# Altium PCB host_board.PcbDoc (part 8 of 8) (continued)
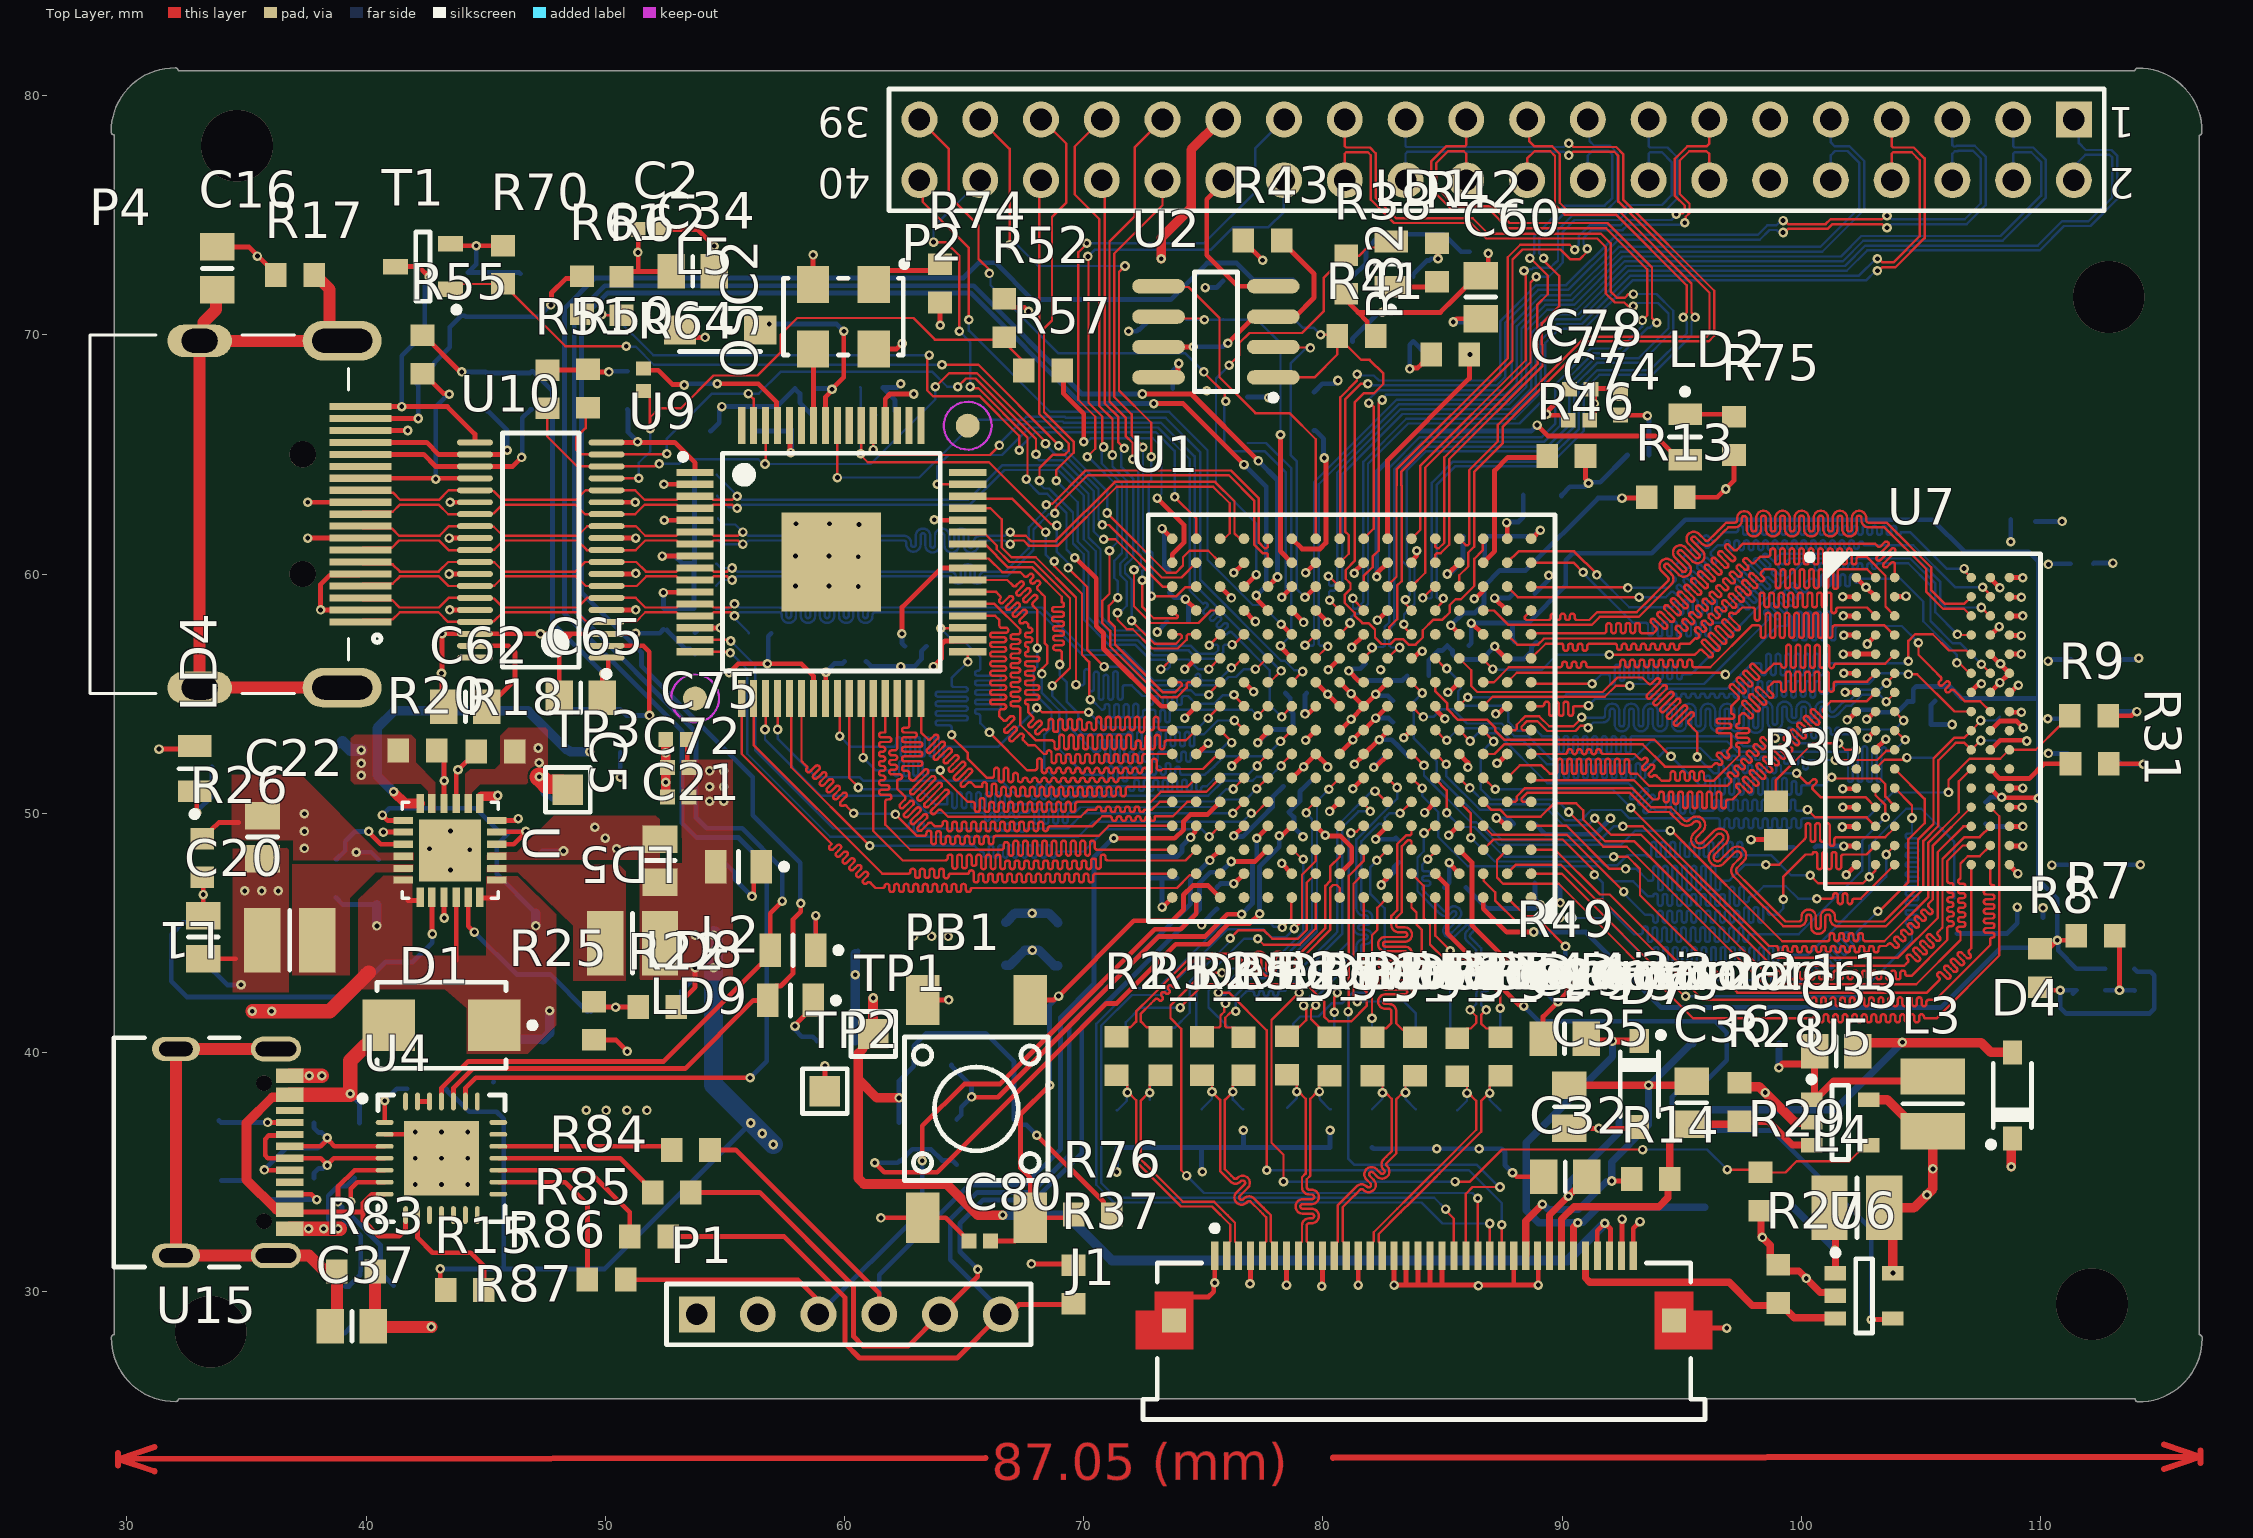
[diagram p0: Top Layer view]
## Nets (pads, with @x,y where several pads share a name; then routed paths per layer and width w, separated by ;. In a path a pad name is that pad's centre, name@x,y a point inside that pad or via, vN(x,y) a via of type N, cw(c..) or ccw(c..) an arc to the next point about the centre after c; other vN are vias at no path point) (continued)
NetC61_2: C61.2 L5.1 U9.57 | length 8.1
  Top Layer w0.2: U9.57@59.2,66.2 59.2,67.396 59.475,67.671 v1(59.475,67.725) 59.968,68.218 59.968,70.143 v1(59.975,70.15)
  Bottom Layer w0.2: v1(56.85,70.45) 59.675,70.45 v1(59.975,70.15) ; C61.2@58.825,67.75 v1@59.45,67.75
NetC62_2: C62.2 U10.37 | length 4.9
  Top Layer w0.2: U10.37@44.55,57 45.95,57 46.225,56.725 46.225,55.57 44.955,54.3 C62.2@44.955,54.15
NetC64_2: C64.2 R58.1 U10.2 | length 7.9
  Top Layer w0.2: U10.2@50.05,57 51.59,57 51.84,56.75 v1@51.84,54.09
  Bottom Layer w0.2: R58.1@48.6,54.35 C64.2@50.625,54.35 50.885,54.09 v1(51.847,54.09)
NetC80_1: C80.1 PB1.1 PB1.2 R76.1 U1.A14 | length 24.7
  Top Layer w0.2: C80.1@66.1,32.12 67.138,32.12 67.76,32.742 PB1.1@67.76,33.092 ; PB1.2@67.76,42.192 68.74,42.192 68.902,42.353 v4(68.95,42.353) 72.097,45.5 73.7,45.5 74.17,45.97 74.17,46.591 74.554,46.976 75.199,46.976 U1.A14@75.7,46.475 ; v4(68.57,38.625) 67.35,37.405 67.35,35.17 67.76,34.76 PB1.1@67.76,33.092 ; R76.1@69.575,33.23 69.437,33.092 PB1.1@67.76,33.092
  Bottom Layer w0.2: v4(68.57,38.625) 68.57,41.973 v4(68.95,42.353)
NetD1_2: D1.2 D2.4 U4.7 U4.8 U15.A4/B9 U15.B4/A9 | length 22.5
  Top Layer w0.2: U15.A4/B9@36.755,38.175 U15.A4/B9@36.805,38.225 ; U15.B4/A9@36.805,33.425 36.905,33.325 39.8,33.325 39.875,33.4 ; U4.7@40.775,34.075 40.245,34.075 39.875,33.705 39.875,33.4 ; U4.8@41.65,33.2 41.65,32.6 41.375,32.325 40.525,32.325 39.875,32.975 39.875,33.325 39.875,33.4
  Top Layer w0.4: U15.A4/B9@36.755,38.175 36.705,38.125 36.075,38.125 35,37.05 35,34.675 36.25,33.425 U15.B4/A9@36.805,33.425 ; v1@39.34,38.225 v1(39.34,38.27)
  Top Layer w0.6: U15.A4/B9@36.805,38.225 v1@39.34,38.225 ; v1(39.34,38.27) 39.34,39.649 40.681,40.99 D1.2@41.33,40.99
  Bottom Layer w0.2: v1@39.34,38.26 39.72,37.88 D2.4@39.72,37.05
NetD6_2: D6.2 L4.2 U6.1 | length 5.5
  Top Layer w0.3: L4.2@101.176,33.5 101.425,33.251 U6.1@101.425,30.775
  Bottom Layer w0.3: D6.2@99.558,33.525 99.658,33.525 101.431,31.752 101.431,31.743 v1@101.413,31.725
  other v1: 101.4,31.725
NetL1_1: L1.1 U.5
NetL2_1: L2.1 U.14
NetLD1_1: LD1.1 R42.2 | length 2
  Top Layer w0.2: LD1.1@82.85,72 84.534,72 R42.2@84.759,72.225
NetLD2_1: LD2.1 R75.2 | length 2.1
  Top Layer w0.2: LD2.1@95.136,66.675 97.081,66.675 R75.2@97.181,66.575 R75.2@97.206,66.6
NetLD4_1: LD4.1 R77.2 | length 3.1
  Top Layer w0.2: LD4.1@32.83,50.91 32.92,50.82 v1(32.92,50.025)
  Bottom Layer w0.2: v1(32.92,50.025) 32.92,50.079 33.56,50.719 R77.2@33.56,51.94
NetLD5_1: LD5.1 R78.2 | length 3.3
  Top Layer w0.2: v1(56.13,46.52) 56.13,46.574 56.2,46.644 56.2,47.443 LD5.1@56.52,47.763
  Bottom Layer w0.2: R78.2@54.97,47.93 54.99,47.93 55.39,47.53 55.39,47.26 v1(56.13,46.52)
NetLD8_1: LD8.1 R81.2 | length 3
  Top Layer w0.2: LD8.1@58.79,44.273 58.8,44.283 v1(58.8,45.72)
  Bottom Layer w0.2: v1@58.79,45.727 58.79,44.405 R81.2@58.96,44.235
NetLD9_1: LD9.1 R82.2 | length 2.7
  Top Layer w0.2: v1(57.93,41.1) 57.93,41.163 58.69,41.923 LD9.1@58.69,42.173
  Bottom Layer w0.2: v1(57.93,41.1) 57.93,40.944 58.217,40.657 58.673,40.657 R82.2@58.85,40.48
NetOSC1_1: OSC1.1 R35.1 | length 6.3
  Bottom Layer w0.2: OSC1.1@81.23,72.425 81.805,73 81.805,73.58 82.425,74.2 85.05,74.2 85.775,73.475 R35.1@86.125,73.475
NetOSC2_1: OSC2.1 R74.1 | length 3.1
  Top Layer w0.2: OSC2.1@61.22,72.11 61.795,72.685 63.725,72.685 R74.1@63.99,72.95
NetR13_1: R13.1 U1.M4 | length 11.3
  Top Layer w0.2: v1(85.35,57.85) 85.7,57.5 U1.M4@85.7,57.475 ; v1(92.5,63.175) 93.497,63.175 R13.1@93.53,63.209
  Bottom Layer w0.2: v1(85.35,57.85) 85.875,58.375 86.35,58.375 86.737,58.762 86.737,59.487 87.4,60.15 88.475,60.15 91.5,63.175 v1(92.5,63.175)
NetR15_2: R15.2 U4.9 | length 5.2
  Top Layer w0.2: U4.9@42.15,33.2 42.15,32.25 42.775,31.625 44.375,31.625 44.925,31.075 R15.2@44.925,30.075
NetR16_1: R16.1 U4.1 | length 2.1
  Top Layer w0.2: U4.1@40.775,37.075 v1@40.775,37.978
  Bottom Layer w0.2: v1(40.777,37.978) 41.279,38.48 R16.1@41.72,38.48
NetR24_1: R24.1 U.3 | length 3.7
  Top Layer w0.2: v1@40.11,49.227 40.11,49.21 40.616,48.704 U.3@41.554,48.704
  Bottom Layer w0.2: R24.1@38.73,48.09 38.78,48.09 39.13,48.44 39.13,48.82 39.547,49.237 v1(40.11,49.237)
NetR31_2: R31.2 U7.L8 | length 3.8
  Top Layer w0.2: U7.L8@107.9,51.85 108.3,51.45 109.525,51.45 110.143,52.068 R31.2@111.25,52.068
NetR32_1: R32.1 R33.2 U1.T7 | length 9.3
  Top Layer w0.2: U1.T7@82.7,61.475 82.7,64.75 86.125,68.175 R32.1@86.125,69.175
  Bottom Layer w0.2: R33.2@86.3,69.05 R33.2@86.4,69.15
  other v1: 86.144,69.175
NetR34_2: R34.2 U1.T2 | length 2.4
  Top Layer w0.2: U1.T2@87.7,61.475 v3@87.7,62.15
  Bottom Layer w0.2: v3(87.675,62.15) 87.7,62.175 88.175,62.175 88.375,62.375 R34.2@88.375,63.25 R34.2@88.375,63.3
NetR36_2: R36.2 U1.L11 | length 10.6
  Top Layer w0.2: v1@78.225,56.975 78.225,56.95 U1.L11@78.7,56.475
  Bottom Layer w0.1: R36.2@76.85,65.475 77.625,65.475 78.675,64.425 78.675,57.45 v1(78.225,57)
NetR43_1: R43.1 U2.3 U2.7 | length 10.4
  Top Layer w0.2: U2.7@73.125,69.49 v1@74.665,69.49 ; v1@76,69.635 77.125,70.76 U2.3@77.925,70.76 78.835,70.76 79.625,71.55 79.625,72.55 78.275,73.9 R43.1@78.275,73.95
  Bottom Layer w0.2: v1(74.575,69.5) 75.821,69.5 75.971,69.65 v1(76.025,69.65)
NetR45_1: R45.1 U1.T11 | length 6.7
  Top Layer w0.2: U1.T11@78.7,61.475 79.125,61.05 79.876,61.05 80.125,61.299 v1@80.125,64.917
  Bottom Layer w0.2: R45.1@79.625,66 79.675,66 80.025,65.65 80.025,64.875 v1(80.05,64.85)
NetR46_1: R46.1 U1.R3 | length 6.6
  Top Layer w0.2: U1.R3@86.7,60.475 87.175,60.95 87.175,64.325 87.725,64.875 R46.1@89.525,64.875
NetR49_1: R49.1 U1.C4 | length 6.6
  Top Layer w0.2: U1.C4@85.7,48.475 86.225,47.95 86.225,45.324 87.877,43.672 88.205,43.672 88.555,43.322 R49.1@88.555,43.272
NetR57_1: R57.1 U1.R16 | length 12.4
  Top Layer w0.2: R57.1@69.45,68.5 69.15,68.2 69.15,67.55 70,66.7 v1(70,65.525) ; v1@73.1,63.15 74.19,62.06 74.19,61.31 73.7,60.82 U1.R16@73.7,60.475
  Bottom Layer w0.1: v1@70.07,65.503 70.128,65.503 70.3,65.675 72.885,65.675 73.25,65.31 73.25,63.354 v1(73.071,63.175)
NetR64_1: R64.1 U9.61 | length 7.2
  Top Layer w0.2: R64.1@51.6,68.595 51.68,68.515 52.21,68.515 52.8,67.925 53.275,67.925 v1(53.3,67.9) ; v1(54.675,67.95) 56.4,67.95 57.15,67.2 57.15,66.25 U9.61@57.2,66.2
  Bottom Layer w0.2: v1(53.3,67.9) 53.35,67.95 v1(54.675,67.95)
NetR65_1: R65.1 U15.A5 | length 3
  Top Layer w0.2: v1(35.88,37.075) U15.A5@36.805,37.075
  Bottom Layer w0.2: R65.1@33.85,37.15 33.925,37.075 v1(35.88,37.075)
NetR66_1: R66.1 U1.B3 | length 6.1
  Top Layer w0.1: U1.B3@86.7,47.475 86.723,47.452 86.723,47.167 87.196,46.694 87.196,46.354 88.129,45.421 89.152,45.421 v1(90.14,44.433)
  Bottom Layer w0.2: v1@90.13,44.427 90.13,44.294 90.133,44.291 R66.1@90.133,43.349
NetR84_1: R84.1 U4.19 | length 7.3
  Top Layer w0.2: U4.19@45.55,36.075 52.625,36.075 R84.1@52.775,35.925
NetR85_1: R85.1 U4.18 | length 7.1
  Top Layer w0.2: U4.18@45.55,35.575 50.625,35.575 51.975,34.225 R85.1@51.975,34.15
NetR86_1: R86.1 U4.17 | length 7.2
  Top Layer w0.2: U4.17@45.55,35.075 49.275,35.075 51.025,33.325 R86.1@51.025,32.3
NetR87_1: R87.1 U4.16 | length 7.2
  Top Layer w0.2: U4.16@45.55,34.575 48.325,34.575 49.25,33.65 R87.1@49.25,30.5
NetR90_1: R90.1 U15.B5 | length 5.5
  Top Layer w0.2: U15.B5@36.805,34.075 37.715,34.075 v1(37.94,33.85)
  Bottom Layer w0.2: R90.1@33.95,34.65 35.03,34.65 35.83,33.85 v1(37.94,33.85)
NetU1_B5: U1.B5 U6.4 | length 36.1
  Top Layer w0.2: U1.B5@84.7,47.475 85.2,46.975 85.2,44.99 88.213,41.977 88.352,41.977 v1(88.39,41.938) ; v1(102.92,28.83) 103.78,28.83 U6.4@103.825,28.875
  Bottom Layer w0.2: v1(88.39,41.938) 89.028,41.3 96.4,41.3 96.884,40.816 96.884,39.67 95.904,38.69 95.141,38.69 94.592,38.141 94.592,37.156 95.008,36.74 98.78,36.74 102.92,32.6 v1(102.92,28.83)
NetU4_26: U4.26 U4.27 | length 0.5
  Top Layer w0.2: U4.27@42.15,37.95 U4.26@42.65,37.95
RST_CPU: R39.2 U4.23 | length 82.4
  Top Layer w0.2: U4.23@44.15,37.95 44.15,38.508 44.582,38.94 v1(56.05,38.94)
  Bottom Layer w0.2: v1(56.05,38.94) 56.75,39.64 56.75,47.801 55.567,48.984 53.816,48.984 53.21,49.59 53.21,53.427 48.297,58.339 48.297,71.115 49.556,72.374 64.97,72.374 65.605,73.01 66.32,73.01 67.856,71.474 73.631,71.474 75.156,72.999 76.397,72.999 77.109,72.287 78.737,72.287 R39.2@78.75,72.3
SYS_CLK: OSC1.3 R32.2 | length 3.2
  Top Layer w0.2: v1(83.625,68.575) 83.663,68.613 83.963,68.613 84.125,68.775 84.175,68.775 84.525,69.125 R32.2@84.525,69.175
  Bottom Layer w0.2: v1(83.625,68.575) 83.625,69.58 OSC1.3@83.77,69.725 OSC1.3@84.345,69.15
TCK: P1.6 R37.1 R86.2 U1.C14 | length 47.4
  Top Layer w0.2: R86.2@52.625,32.3 57.475,32.3 60.025,29.75 60.025,27.825 60.625,27.225 64.705,27.225 P1.6@66.53,29.05 66.883,29.05 67.293,29.46 69.535,29.46 R37.1@69.575,29.5 ; v1(75.275,48.025) 75.275,48.05 U1.C14@75.7,48.475
  Bottom Layer w0.2: P1.6@66.53,29.05 66.53,29.22 64.42,31.33 64.42,33.02 65.55,34.15 67.85,34.15 69.39,35.69 69.39,41.14 74.466,46.216 74.466,47.216 v1(75.275,48.025)
TDI: P1.5 R85.2 U1.C12 | length 42.7
  Top Layer w0.2: R85.2@53.575,34.15 56.45,34.15 60.375,30.225 60.375,28.125 60.775,27.725 62.665,27.725 P1.5@63.99,29.05 65.573,30.632 v1(65.573,30.93) ; v1(76.165,47.98) 77.155,47.98 77.65,48.475 U1.C12@77.7,48.475
  Bottom Layer w0.2: v1(65.573,30.93) 64.827,31.676 64.827,32.853 65.807,33.833 67.957,33.833 69.912,35.788 69.912,41.042 74.837,45.967 74.837,47.082 75.286,47.531 75.716,47.531 v1(76.165,47.98)
TDO: P1.4 R84.2 U1.E14 | length 41.1
  Top Layer w0.2: R84.2@54.375,35.925 55.45,35.925 61.45,29.925 P1.4@61.45,29.05 ; v1(71.25,48.95) 73.808,48.95 74.175,49.317 74.175,49.658 74.467,49.95 75.175,49.95 U1.E14@75.7,50.475
  Bottom Layer w0.2: P1.4@61.45,29.05 61.45,30.71 63.19,32.45 65.19,34.45 67.52,34.45 69.03,35.96 69.03,41.47 70.425,42.865 70.425,48.155 71.22,48.95 v1(71.25,48.95)
TMDS0_N: P4.9 R69.1 U1.T13 U9.6 U10.12 U10.27 | length 46.7
  Top Layer w0.1: P4.9@39.76,62 39.86,61.9 41.08,61.9 41.38,61.6 43.07,61.6 43.47,62 U10.27@44.55,62 44.576,61.974 45.338,61.974 45.712,61.6 48.847,61.6 49.242,61.995 50.045,61.995 U10.12@50.05,62 51.27,62 51.67,61.6 ; 51.671,61.601 52.513,61.601 ; 52.513,61.6 52.975,61.6 53.125,61.75 U9.6@53.75,61.75 54.375,61.75 54.525,61.6 54.758,61.6 55.541,61.6 55.691,61.75 v1(55.75,61.75) ; v1(66.925,61.751) 66.95,61.751 67.1,61.601 67.574,61.601 67.8,61.375 68.825,61.375 71.3,63.85 75.491,63.85 76.3,63.041 76.3,61.7 76.525,61.475 U1.T13@76.7,61.475 U1.T13@76.675,61.5
  Bottom Layer w0.1: R69.1@54.71,62.33 54.71,62.31 54.95,62.07 55.43,62.07 v1(55.75,61.75) 55.831,61.75 55.981,61.6 56.18,61.6 56.3,61.6 62.05,61.6 62.48,61.6 cw(c62.48,61.3) 62.78,61.3 62.78,61.233 ccw(c62.88,61.233) 62.98,61.233 62.98,61.6 cw(c63.28,61.6) 63.58,61.6 63.58,61.2 ccw(c63.68,61.2) 63.78,61.2 63.78,61.6 cw(c64.08,61.6) 64.38,61.6 64.38,61.2 ccw(c64.48,61.2) 64.58,61.2 64.58,61.6 cw(c64.88,61.6) 65.18,61.6 65.18,61.2 ccw(c65.28,61.2) 65.38,61.2 65.38,61.3 cw(c65.68,61.3) 65.68,61.6 65.83,61.6 66.23,61.6 66.34,61.6 66.699,61.6 66.825,61.726 66.9,61.726 v1(66.925,61.751)
TMDS0_P: P4.7 R71.1 U1.T14 U9.7 U10.10 U10.29 | length 46.2
  Top Layer w0.1: P4.7@39.76,61 39.86,61.1 41.08,61.1 41.38,61.4 43.05,61.4 43.45,61 U10.29@44.55,61 44.562,61.012 45.352,61.012 45.739,61.4 48.827,61.4 49.227,61 U10.10@50.05,61 51.27,61 51.67,61.4 51.753,61.4 ; 51.754,61.401 52.378,61.401 ; 52.379,61.4 52.975,61.4 53.125,61.25 U9.7@53.75,61.25 54.375,61.25 54.525,61.4 54.675,61.4 55.541,61.4 55.691,61.25 v1(55.75,61.25) ; v1(66.925,61.251) 66.95,61.251 67.1,61.401 67.491,61.401 67.717,61.175 68.908,61.175 71.383,63.65 75.408,63.65 76.1,62.958 76.1,61.702 75.873,61.475 U1.T14@75.7,61.475 U1.T14@75.68,61.495
  Bottom Layer w0.1: R71.1@54.7,61.4 R71.1@54.7,61.42 54.87,61.25 v1(55.75,61.25) 55.831,61.25 55.981,61.4 56.22,61.4 56.44,61.4 61.01,61.4 62.05,61.4 62.48,61.4 cw(c62.48,61.3) 62.58,61.3 62.58,61.233 ccw(c62.88,61.233) 63.18,61.233 63.18,61.6 cw(c63.28,61.6) 63.38,61.6 63.38,61.2 ccw(c63.68,61.2) 63.98,61.2 63.98,61.6 cw(c64.08,61.6) 64.18,61.6 64.18,61.2 ccw(c64.48,61.2) 64.78,61.2 64.78,61.6 cw(c64.88,61.6) 64.98,61.6 64.98,61.2 ccw(c65.28,61.2) 65.58,61.2 65.58,61.3 cw(c65.68,61.3) 65.68,61.4 65.83,61.4 66.34,61.4 66.695,61.4 66.844,61.251 v1(66.925,61.251)
TMDS1_N: P4.6 R67.1 U1.T12 U9.9 U10.9 U10.30 | length 46.2
  Top Layer w0.1: P4.6@39.76,60.5 39.86,60.4 41.109,60.4 41.409,60.1 43.03,60.1 43.43,60.5 U10.30@44.55,60.5 44.557,60.493 45.357,60.493 45.75,60.1 48.75,60.1 49.15,60.5 U10.9@50.05,60.5 51.295,60.5 51.695,60.1 52.975,60.1 53.125,60.25 U9.9@53.75,60.25 54.375,60.25 54.525,60.1 55.091,60.1 55.241,60.25 v1(55.3,60.25) ; v1(68.434,62.896) 68.475,62.937 68.687,62.937 70.075,64.325 76.15,64.325 77.323,63.152 77.323,61.31 77.559,61.075 77.641,61.075 77.7,61.134 U1.T12@77.7,61.475
  Bottom Layer w0.1: R67.1@54.644,60.432 54.826,60.25 v1(55.3,60.25) 55.359,60.25 55.509,60.1 64.443,60.1 cw(c64.443,59.893) 64.65,59.893 ccw(c64.75,59.893) 64.85,59.893 64.85,60.107 cw(c65.15,60.107) 65.45,60.107 65.45,59.893 ccw(c65.55,59.893) 65.65,59.893 cw(c65.857,59.893) 65.857,60.1 66.717,60.1 67.7,61.083 67.7,61.95 68.392,62.642 68.392,62.854 v1(68.434,62.896)
TMDS1_P: P4.4 R68.1 U1.R12 U9.10 U10.7 U10.32 | length 46.2
  Top Layer w0.1: P4.4@39.76,59.5 39.86,59.6 41.11,59.6 41.41,59.9 42.555,59.9 43.041,59.9 43.441,59.5 U10.32@44.55,59.5 44.557,59.507 45.357,59.507 45.75,59.9 48.779,59.9 49.179,59.5 U10.7@50.05,59.5 51.31,59.5 51.71,59.9 52.975,59.9 53.125,59.75 U9.10@53.75,59.75 54.375,59.75 54.525,59.9 55.091,59.9 55.241,59.75 v1(55.3,59.75) ; v1(68.787,62.542) 68.829,62.584 68.829,62.796 70.158,64.125 76.067,64.125 77.123,63.069 77.123,62.38 77.123,61.99 77.123,61.227 77.476,60.875 77.641,60.875 77.7,60.816 U1.R12@77.7,60.475
  Bottom Layer w0.1: R68.1@54.63,59.5 54.63,59.51 54.87,59.75 v1(55.3,59.75) 55.359,59.75 55.509,59.9 64.443,59.9 ; 64.45,59.893 ccw(c64.75,59.893) 65.05,59.893 65.05,60.107 cw(c65.15,60.107) 65.25,60.107 65.25,59.893 ccw(c65.55,59.893) 65.85,59.893 ; 65.857,59.9 66.8,59.9 67.9,61 67.9,61.867 68.534,62.501 68.746,62.501 v1(68.787,62.542)
TMDS2_N: P4.3 R73.2 U1.L13 U9.12 U10.6 U10.33 | length 46
  Top Layer w0.1: P4.3@39.76,59 39.86,58.9 41.1,58.9 41.4,58.6 43.042,58.6 43.442,59 U10.33@44.55,59 44.573,58.977 45.341,58.977 45.718,58.6 48.838,58.6 49.237,58.999 U10.6@50.049,58.999 ; U10.6@50.05,59 51.27,59 51.67,58.6 52.975,58.6 53.125,58.75 U9.12@53.75,58.75 54.375,58.75 54.525,58.6 55.25,58.6 v1(55.4,58.75) ; v1(76.175,56.075) 76.238,56.075 76.637,56.475 U1.L13@76.7,56.475
  Bottom Layer w0.1: R73.2@54.64,58.553 55.122,58.553 55.319,58.75 v1(55.4,58.75) 55.459,58.75 55.609,58.6 56.72,58.6 57.27,58.6 cw(c57.27,58.3) 57.57,58.3 57.57,58.255 ccw(c57.67,58.255) 57.77,58.255 57.77,58.593 cw(c58.07,58.593) 58.37,58.593 58.37,58.255 ccw(c58.47,58.255) 58.57,58.255 58.57,58.593 cw(c58.87,58.593) 59.17,58.593 59.17,58.255 ccw(c59.27,58.255) 59.37,58.255 59.37,58.593 cw(c59.67,58.593) 59.97,58.593 59.97,58.255 ccw(c60.07,58.255) 60.17,58.255 60.17,58.593 cw(c60.47,58.593) 60.77,58.593 60.77,58.255 ccw(c60.87,58.255) 60.97,58.255 60.97,58.3 cw(c61.27,58.3) 61.27,58.6 61.713,58.6 68.25,58.6 70.037,56.813 71.657,56.813 72.92,55.55 74.526,55.55 74.576,55.55 ccw(c74.576,55.65) 74.676,55.65 74.676,55.725 cw(c74.776,55.725) 74.876,55.725 74.876,55.65 ccw(c74.976,55.65) 74.976,55.55 75.143,55.55 75.625,55.55 76.15,56.075 v1(76.175,56.075)
TMDS2_P: P4.1 R72.2 U1.L12 U9.13 U10.4 U10.35 | length 46.6
  Top Layer w0.1: P4.1@39.76,58 39.86,58.1 41.109,58.1 41.409,58.4 43.025,58.4 43.425,58 U10.35@44.55,58 44.579,58.029 45.344,58.029 45.715,58.4 48.822,58.4 49.222,58 U10.4@50.05,58 51.27,58 51.67,58.4 51.753,58.4 52.975,58.4 53.125,58.25 U9.13@53.75,58.25 54.375,58.25 54.525,58.4 55.25,58.4 ; v1(77.175,56.025) 77.213,56.025 77.662,56.475 U1.L12@77.7,56.475
  Bottom Layer w0.1: R72.2@56,57.525 56,57.545 55.457,58.088 55.457,58.193 v1(55.4,58.25) 55.459,58.25 55.609,58.4 56.72,58.4 57.27,58.4 cw(c57.27,58.3) 57.37,58.3 57.37,58.255 ccw(c57.67,58.255) 57.97,58.255 57.97,58.593 cw(c58.07,58.593) 58.17,58.593 58.17,58.255 ccw(c58.47,58.255) 58.77,58.255 58.77,58.593 cw(c58.87,58.593) 58.97,58.593 58.97,58.255 ccw(c59.27,58.255) 59.57,58.255 59.57,58.593 cw(c59.67,58.593) 59.77,58.593 59.77,58.255 ccw(c60.07,58.255) 60.37,58.255 60.37,58.593 cw(c60.47,58.593) 60.57,58.593 60.57,58.255 ccw(c60.87,58.255) 61.17,58.255 61.17,58.3 cw(c61.27,58.3) 61.27,58.4 61.713,58.4 68.167,58.4 69.955,56.613 71.574,56.613 72.837,55.35 75.708,55.35 76.054,55.696 76.371,55.696 76.7,56.025 v1(77.175,56.025)
TMDS_CLK_N: P4.12 R89.2 U1.M14 U9.3 U10.15 U10.24 | length 46
  Top Layer w0.1: P4.12@39.76,63.5 39.856,63.404 41.126,63.404 41.43,63.1 43.05,63.1 43.45,63.5 U10.24@44.55,63.5 44.579,63.471 45.327,63.471 45.698,63.1 48.775,63.1 49.175,63.5 U10.15@50.05,63.5 51.245,63.5 51.645,63.1 51.822,63.1 52.975,63.1 53.125,63.25 54.375,63.25 54.525,63.1 55.3,63.1 55.45,63.25 v1(55.509,63.25) ; v1(75.25,57.025) U1.M14@75.7,57.475
  Bottom Layer w0.1: R89.2@54.66,64.16 54.66,64.14 55.509,63.291 v1(55.509,63.25) 55.567,63.25 55.717,63.1 55.95,63.1 56.34,63.1 62.675,63.1 63.133,63.1 65.158,63.1 66.608,64.55 69.008,64.55 70.2,63.358 70.2,61.533 70.7,61.033 70.7,58.249 71.311,57.637 72.47,57.637 73.097,57.01 73.656,57.01 73.657,57.009 74.466,57.009 74.816,56.659 75.471,56.659 75.625,56.813 75.625,56.837 75.625,56.979 75.566,57.037 75.262,57.037 v1(75.25,57.025)
TMDS_CLK_P: P4.10 R88.2 U1.M13 U9.4 U10.13 U10.26 | length 46.2
  Top Layer w0.1: P4.10@39.76,62.5 39.86,62.6 41.112,62.6 41.412,62.9 43.03,62.9 43.43,62.5 U10.26@44.55,62.5 44.579,62.529 45.327,62.529 45.698,62.9 48.75,62.9 49.15,62.5 U10.13@50.05,62.5 51.245,62.5 51.645,62.9 51.905,62.9 52.975,62.9 53.125,62.75 54.375,62.75 54.525,62.9 55.3,62.9 55.45,62.75 v1(55.509,62.75) ; v1(76.2,57.05) 76.275,57.05 U1.M13@76.7,57.475
  Bottom Layer w0.1: R88.2@54.68,63.27 54.68,63.25 54.92,63.01 54.94,63.01 55.159,62.791 55.467,62.791 v1(55.509,62.75) 55.567,62.75 55.717,62.9 62.675,62.9 63.133,62.9 65.241,62.9 66.691,64.35 68.925,64.35 70,63.275 70,61.45 70.5,60.95 70.5,58.166 71.228,57.437 72.338,57.437 72.965,56.81 73.573,56.81 73.574,56.809 74.384,56.809 74.733,56.459 75.554,56.459 75.825,56.73 75.825,56.813 75.825,56.979 75.884,57.037 76.187,57.037 v1(76.2,57.05)
TMS: P1.3 R87.2 U1.A15 | length 34.5
  Top Layer w0.2: R87.2@50.85,30.5 58.05,30.5 58.91,29.64 P1.3@58.91,29.05 ; v1(63.25,35.47) 63.25,36.925 65,38.675 66.498,38.675 68.53,40.707 72.973,45.15 74.05,45.15 74.7,45.8 U1.A15@74.7,46.475
  Bottom Layer w0.2: P1.3@58.91,29.05 63.25,33.39 v1(63.25,35.47)
UART_RX: LD9.2 U1.N12 U4.24 | length 85.9
  Top Layer w0.2: U4.24@43.65,37.95 43.65,38.508 44.467,39.325 53.335,39.325 56.183,42.173 LD9.2@56.79,42.173 56.79,42.423 57.14,42.773 57.323,42.773 57.85,43.3 57.85,45.56 58.168,45.878 v1(58.168,46.23) ; v1(72.925,67.125) 74.15,67.125 v1(76.7,64.575) ; 77.275,58.9 U1.N12@77.7,58.475
  Bottom Layer w0.2: v1@58.15,46.21 58.15,47.93 56.16,49.92 56.16,51.512 51.51,56.162 51.51,56.724 49,59.234 49,70.64 50.108,71.748 65.278,71.748 69.901,67.125 v1(72.925,67.125) ; v1@76.705,64.575 77.625,63.655 77.625,59.512 v1(77.213,59.1)
UART_TX: LD8.2 U1.P12 U4.25 | length 85.9
  Top Layer w0.2: U4.25@43.15,37.95 43.15,38.508 44.267,39.625 52.438,39.625 56.486,43.673 56.54,43.673 56.89,44.023 LD8.2@56.89,44.273 56.89,45.815 v1(57.4,46.325) ; v1(72.454,67.525) 74.504,67.525 v1(77.3,64.729) ; U1.P12@77.7,59.475 v1(78.1,59.875)
  Bottom Layer w0.2: v1(57.4,46.325) 57.4,47.686 55.716,49.37 54.24,49.37 53.79,49.82 53.79,53.385 48.7,58.475 48.7,70.764 49.984,72.048 65.402,72.048 69.925,67.525 v1(72.454,67.525) ; v1(77.3,64.729) 78.1,63.929 v1(78.1,59.875)
USB_N: D2.2 U4.4 U15.A7 U15.B7 | length 8
  Top Layer w0.2: U15.B7@36.805,36.575 36.76,36.53 35.93,36.53 35.78,36.38 35.78,35.692 35.897,35.575 38.1,35.575 38.312,35.363 38.312,35.298 38.335,35.275 v1@38.35,35.275 ; v1(38.375,35.275) v1@38.35,35.275 ; U4.4@40.775,35.575 38.65,35.575 v1@38.35,35.275
  Bottom Layer w0.2: D2.2@37.82,34.75 37.82,34.95 38.02,35.15 38.196,35.15 38.321,35.275 v1(38.375,35.275)
USB_P: D2.3 U4.3 U15.A6 U15.B6 | length 9.2
  Top Layer w0.2: v1@35.93,35.075 U15.B6@36.805,35.075 ; U15.A6@36.805,36.075 38.095,36.075 38.337,36.317 38.337,36.392 v1(38.375,36.43) ; v1@38.47,36.282 38.677,36.075 U4.3@40.5,36.075 ; U4.3@40.5,36.075 U4.3@40.775,36.075
  Bottom Layer w0.2: v1(35.75,35.09) 36.65,35.99 37.98,35.99 38.375,36.385 v1(38.375,36.43) 38.365,36.43 38.145,36.65 38.02,36.65 37.82,36.85 D2.3@37.82,37.05
USER_LED: LD2.2 U1.R7 | length 19.5
  Top Layer w0.2: v1(82.252,59.888) 82.252,60.027 U1.R7@82.7,60.475 ; v1(88.95,66.225) 89.4,65.775 93.886,65.775 94.886,64.775 LD2.2@95.136,64.775 LD2.2@95.161,64.75
  Bottom Layer w0.2: v1(82.252,59.888) 82.252,64.281 83.946,65.975 88.7,65.975 v1(88.95,66.225)
pads on no net: P4. P4.14 U1.A4 U1.A12 U1.A13 U1.B12 U1.B14 U1.C13 U1.D9 U1.E11 U1.F10 U1.M5 U1.M12 U1.N4 U4.10 U4.11 U4.12 U4.13 U4.14 U4.15 U4.20 U4.21 U4.22 U4.28 U7.J1 U7.J9 U7.L1 U7.L9 U7.M7 U8.5 U9.48 U9.49 U9.50 U9.51 U9.55 U9.59 U9.64 U9.FTG1 U9.FTG2 U10.38 U15. U15.A8 U15.B8
copper on no net: | length 80
  Top Layer w0.254: 29.632,23.251 29.632,22.743 ; 31.156,23.507 29.632,22.997 ; 31.157,22.491 29.632,22.997 ; 65.895,23.039 29.632,22.997 ; 80.419,23.056 116.682,23.097 ; 115.158,23.603 116.682,23.097 ; 115.159,22.587 116.682,23.097 ; 116.682,23.351 116.682,22.843
  other v5: 33.5,28.325 112.15,29.475 112.85,71.575 34.6,77.9

## Polygon pours and split planes (outlines as drawn)
3V3 on Power "3V3_L03_P010" (solid, pour order 10): 55.14,27.4 55.14,37.575 58.86,37.575 63.95,37.575 109.85,37.575 111.191,36.234 111.191,33.283 105.308,27.4
1V8 on Power "1V8_L03_P008" (solid, pour order 8): 86.021,47.647 84.25,49.418 84.25,49.491 79.363,49.491 77.662,47.79 75.173,47.79 71.383,44 60.883,44 60.883,40.925 82.742,40.925 85.917,44.1
3V3 on Power "3V3_L03_P011" (solid, pour order 11): 50.666,65.333 50.666,69.148 52.796,71.279 52.846,71.229 58.466,71.229 61.712,67.982 63.128,67.982 63.466,67.842 63.466,65.128 63.007,64.669 63.007,62.78 63.291,62.496 63.348,55.479 55.765,55.435 55.765,56.587 53.668,56.587 53.668,59.694 51.631,59.694 51.631,53.226 49.067,53.241 49.046,51.599 53.182,50.326 61.949,50.326 65.507,54.104 70.482,54.104 70.635,53.95 79.125,53.95 79.708,54.533 79.708,55.231 80.95,56.473 81.352,56.473 82.061,56.184 82.474,55.979 83.42,55.479 83.42,51.57 81.883,51.57 81.17,51.57 80.696,52.044 67.866,52.044 62.399,47.38 62.399,44.448 68.083,44.448 71.139,44.448 75.211,48.52 78.036,48.52 79.39,49.874 84.34,49.874 84.482,50.093 84.482,50.326 84.482,56.812 85.592,57.922 85.592,61.646 87.499,63.554 87.549,63.504 93.566,63.504 93.566,72.179 92.391,73.354 85.048,73.354 84.148,74.254 47.111,74.254 47.111,65.333
1V5 on Power "1V5_L03_P007" (solid, pour order 7): 115.45,42.175 115.45,61.65 114.02,63.08 87.498,63.08 86.825,62.407 85.917,61.5 85.917,57.817 84.525,56.425 84.625,56.325 84.625,50.025 86.186,48.464 86.186,43.911 82.825,40.55 57.58,40.55 57.58,38.03 112.33,38.03 114.725,40.425
1V8 on Power "1V8_L03_P009" (solid, pour order 9): 41.25,54.471 43.686,57.07 51.525,65.431 51.525,69.446 52.654,70.575 56.725,70.575 59.825,67.475 62.275,67.475 62.625,67.125 63.25,67.125 63.25,65.209 62.8,64.759 62.8,58.079 62.862,57.702 62.975,57.589 62.975,55.628 55.994,55.66 55.974,57.07 53.847,57.07 53.812,59.743 51.08,59.743 51.08,53.313 41.25,53.313
1V2 on Power "Power-1V2" (solid, pour order 5): 70.579,52.213 80.862,52.213 81.5,51.575 83.195,51.575 83.195,55.279 81.259,56.216 80.991,56.216 79.85,55.075 79.85,54.8 79.85,54.125 79.478,53.753 70.579,53.753
1V5 on Top Layer "1V5_L01_P022" (solid, pour order 22): 42.9,50.01 42.9,51.3 42.07,52.13 42.07,53.085 41.88,53.275 39.524,53.275 39.36,53.129 39.36,51.35 39.51,51.2 42.3,51.2 42.59,50.91 42.59,50
1V2 on Top Layer "1V2_L01_P023" (solid, pour order 23): 44.12,50.01 44.15,50.04 44.15,51.645 44.345,51.84 45.38,51.84 45.61,52.075 45.61,53.235 45.95,53.575 47.511,53.575 47.59,53.496 47.59,51.333 47.452,51.2 44.765,51.2 44.42,50.855 44.42,50.01
GND on Top Layer "GND_L01_P019" (solid, pour order 19): 45.05,48.05 52.27,48.05 52.27,49.74 52.11,49.9 47.84,49.9 46.3,48.36 45.061,48.36 45.05,48.349
3V3 on Top Layer "3V3_L01_P021" (solid, pour order 21): 51.4,43.03 51.44,43.07 51.44,47.899 53.21,47.898 53.17,52.23 55.33,52.23 55.33,43
no net on Top Layer "NONET_L01_P020" (solid, pour order 20): 51.07,47.92
1V8 on Top Layer "1V8_L01_P018" (solid, pour order 18): 36.77,48.553 36.77,42.51 34.43,42.51 34.43,48.523
GND on Top Layer "GND_L01_P017" (solid, pour order 17): 41.99,48.03 36.953,48.03 36.953,48.86 34.38,48.86 34.38,51.28 34.38,51.602 37.278,51.602 40.531,48.349 41.99,48.349 41.99,48.3
5V_IN on Top Layer "5V_IN_L01_P014" (solid, pour order 14): 41.93,47.38 41.93,44.09 41.98,44.04 45.03,44.04 45.03,47.345 45.044,47.359 46.33,47.359 47.945,45.784 47.945,41.135 46.76,39.95 44.21,39.95 44.21,41.856 43.29,42.64 39.68,42.64 39.68,46.401 40.725,47.38 41.01,47.38
NetL2_1 on Top Layer "NETL2_1_L01_P016" (solid, pour order 16): 45.05,47.523 46.337,47.523 48.65,45.29 48.65,43 50.86,43 50.86,47.57 50.58,47.85 46.51,47.85 45.05,47.85
NetL1_1 on Top Layer "NETL1_1_L01_P015" (solid, pour order 15): 41.98,47.865 41.98,47.523 40.393,47.523 39.32,46.45 39.32,43.225 36.905,43.225 36.905,47.865
GND on Bottom Layer "GND_L04_P012" (solid, pour order 12): 29.915,53.935 29.915,27.519 31.903,25.779 55.075,25.779 55.075,46.785 51.722,50.45 51.715,53.154 47.461,53.154 46.68,53.935
GND on GND "GND-GND" (solid, pour order 0): 29.475,25.525 29.475,81.025 116.625,81.025 116.625,25.525

## Other copper
Top Layer:
  text "87.05 (mm)" at 66.15,22.125 h1.52 r0.07

## Silkscreen, mask and mechanical layers (free items; w line width, h text height)
Mechanical 8:
  lines w0.254: 29.47,78.48 cw(c31.997,78.505) 32.022,81.033 114.057,81.033 ; 29.48,78.48 29.48,28.08 ccw(c32.007,28.055) 32.033,25.528 ; 32.05,25.52 114.02,25.52 ; 114.067,81.022 cw(c114.093,78.495) 116.62,78.47 116.62,28.107 ; 114.075,25.52 ccw(c114.1,28.047) 116.627,28.073

## Dimensions
14.392,80.776 to 18.776,25.5 on Top Layer

## Text inside footprints (layer, text, board x,y; h text height)
P2: Top Overlay "39" at 61.101,79.508 h1.27 r180; Top Overlay "40" at 61.101,76.968 h1.27 r180; Top Overlay "2" at 113.933,76.968 h1.27 r180; Top Overlay "1" at 113.933,79.508 h1.27 r180
U15: Mechanical 13 "PCB EDGE" at 29.55,30.425 h0.41 r270